# Altium PCB STM32F7_ExpansionBoard.PcbDoc (part 1 of 2)
Units mm, origin at the board's own origin, x right, y up, seen from the top; angles counter-clockwise.
Board outline 149.43 x 209.05 mm, 2 copper layers (Top Layer, Bottom Layer); 87 components, 61 nets, 312 pads, 418 vias.
Unrouted connection lines stored in the file: 1.
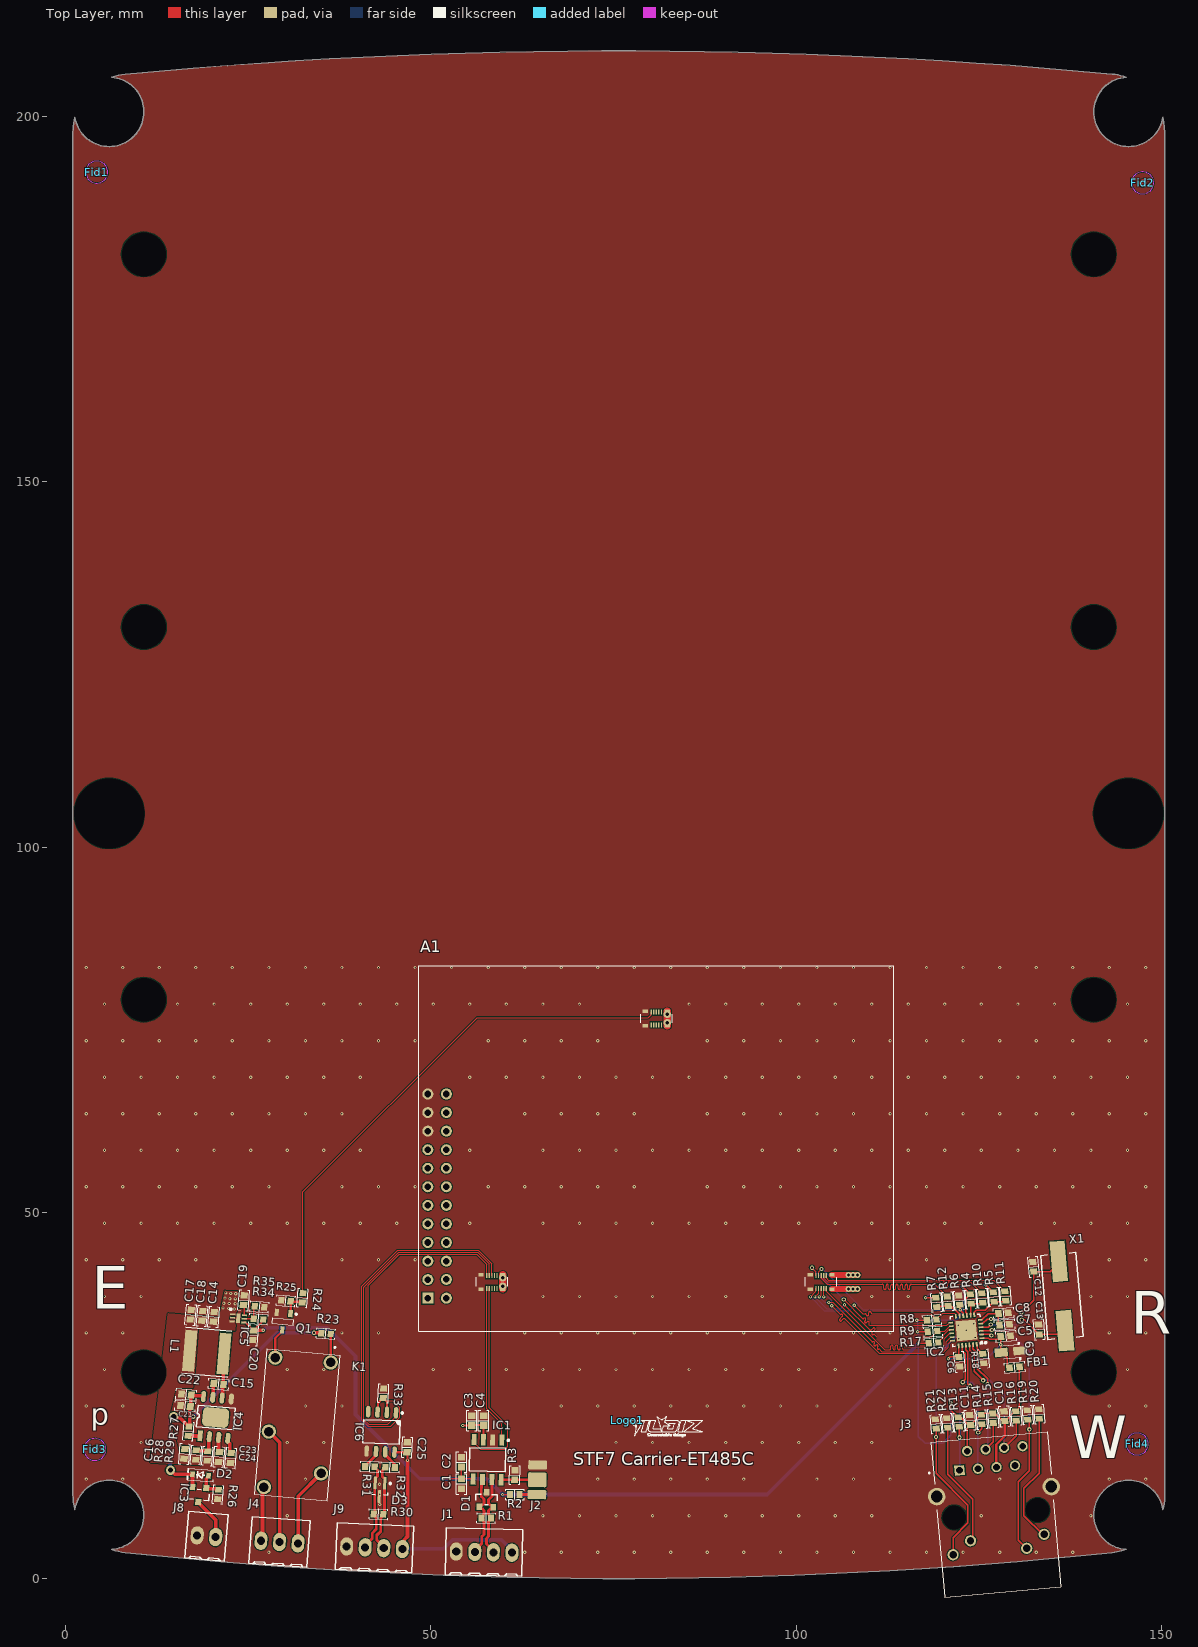
[diagram p0: Top Layer view]
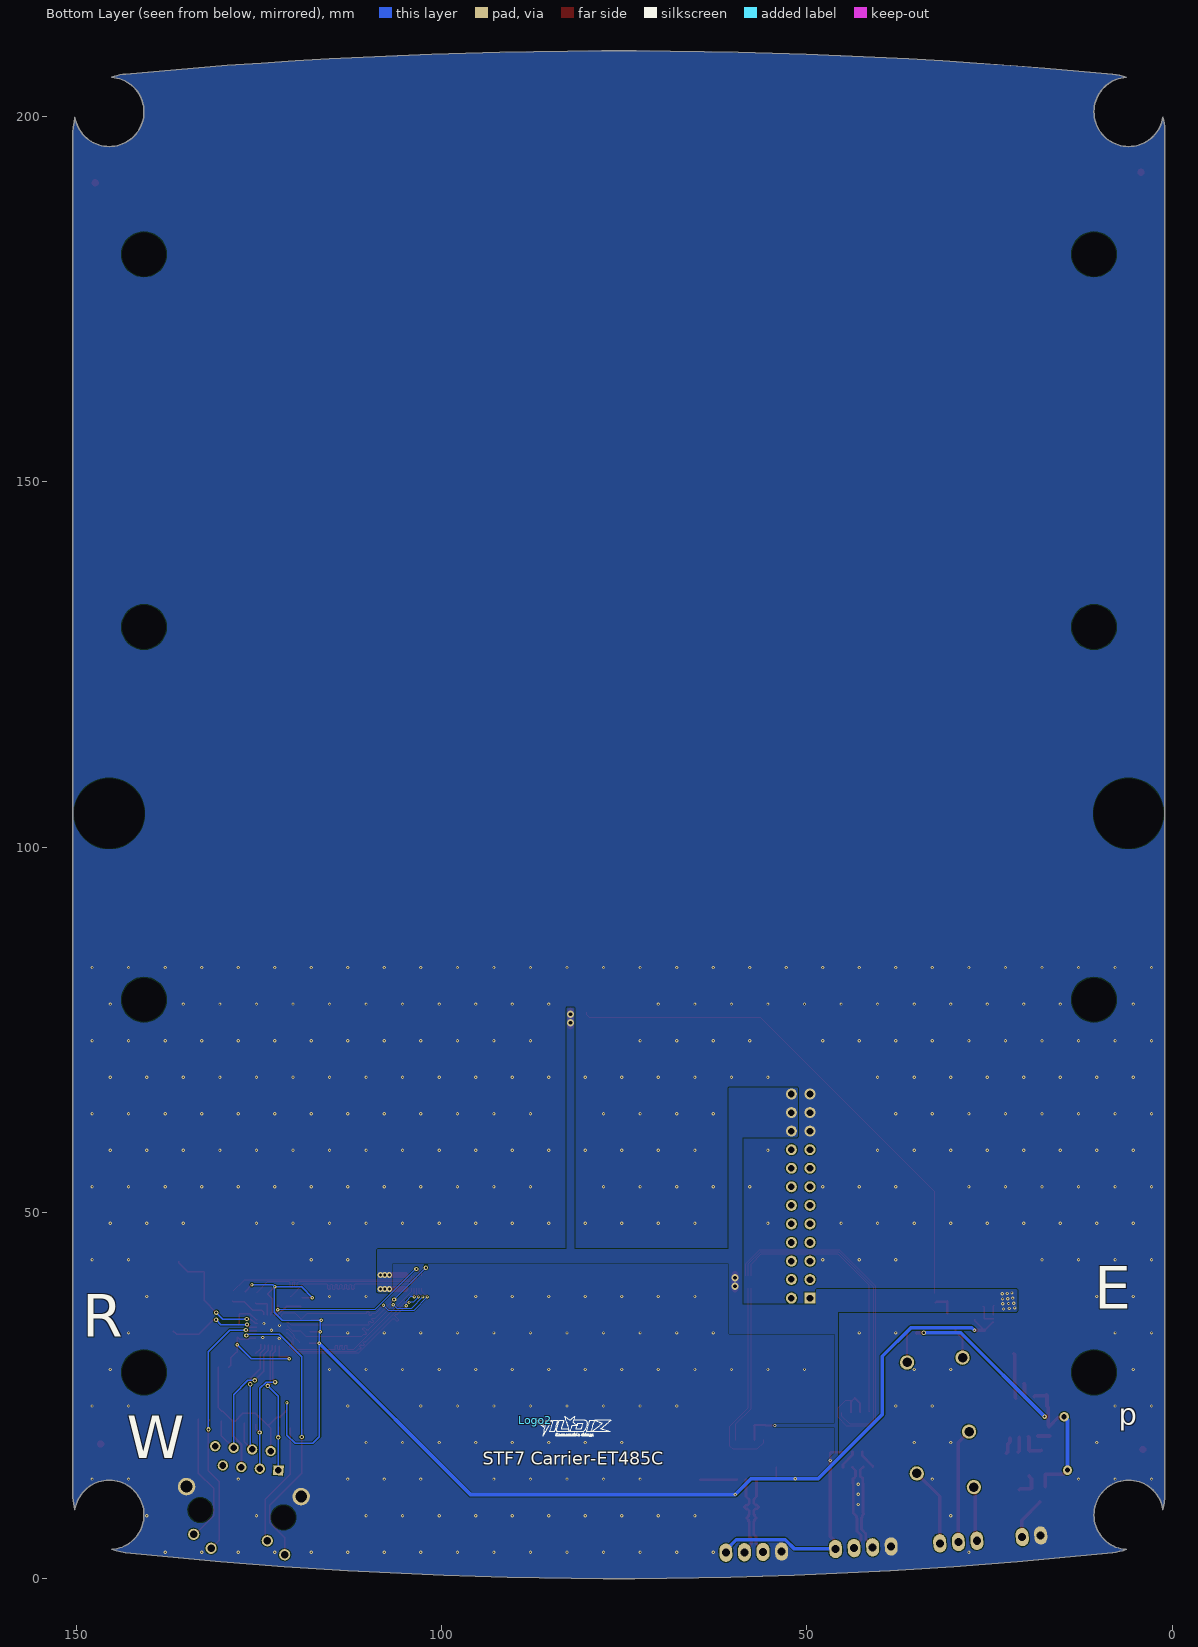
[diagram p1: Bottom Layer view, seen from below]
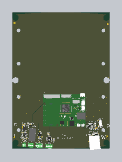
[diagram p3: 3D render of the assembled board from above, using the file's embedded part models]

## Layer stack, top to bottom
Top Solder: solder mask 0.0102, Solder Resist, Dk 3.5
Top Layer: signal copper 0.0356
Dielectric 1: dielectric 0.32, FR-4, Dk 4.8
Bottom Layer: signal copper 0.0356
Bottom Solder: solder mask 0.0102, Solder Resist, Dk 3.5

## Board outline
1.28,9.38 cw(c10.198,11.598) 1.009,11.463 1.009,197.838 cw(c9.931,197.746) 1.279,199.926 ccw(c5.974,200.651) 6.305,205.389 cw(c9.27,196.731) 8.183,205.818 cw(c75.724,-511.165) 143.254,205.819 cw(c142.547,198.319) 145.147,205.39 ccw(c145.474,200.651) 150.167,199.922 cw(c132.249,196.526) 150.438,197.849 150.438,11.451 cw(c144.343,11.189) 150.168,9.376 ccw(c145.474,8.651) 145.142,3.912 cw(c139.538,24.177) 143.254,3.483 cw(c75.724,644.677) 8.181,3.484 cw(c9.033,11.568) 6.301,3.912 ccw(c5.974,8.651)

## Design rules (kind name [scope] priority, off if disabled: settings)
Clearance [All] p1: gap=0.127 ignorepadtopadclearanceinfootprint=FALSE
ComponentClearance [All] p1: gap=0 collisioncheckmode=3 verticalgap=0 showdistances=FALSE
DiffPairsRouting [All] p1: maxlimit=3 minlimit=0.127 mostfreqgap=0.254 toplayer_minwidth=0.127 toplayer_maxwidth=3 toplayer_prefwidth=0.4 bottomlayer_minwidth=0.127 bottomlayer_maxwidth=3 bottomlayer_prefwidth=0.4 maxuncoupledlength=12.7
MatchedLengths "Schematic Matched Net Lengths_4" [InNetClass('ETHERNET')] p1: tolerance=2.54 checknetsindiffpair=FALSE checkdiffpairvsdiffpair=TRUE checkxsignals=TRUE checkothers=TRUE
MatchedLengths "Schematic Matched Net Lengths_3" [InNet('TD_P')] p2: tolerance=2.54 checknetsindiffpair=TRUE checkdiffpairvsdiffpair=FALSE checkxsignals=FALSE checkothers=FALSE
MatchedLengths "Schematic Matched Net Lengths_2" [InNet('RD_N')] p3: tolerance=2.54 checknetsindiffpair=TRUE checkdiffpairvsdiffpair=FALSE checkxsignals=FALSE checkothers=FALSE
MatchedLengths "Schematic Matched Net Lengths_1" [InNet('RD_P')] p4: tolerance=2.54 checknetsindiffpair=TRUE checkdiffpairvsdiffpair=FALSE checkxsignals=FALSE checkothers=FALSE
MatchedLengths "Schematic Matched Net Lengths" [InNet('TD_N')] p5: tolerance=2.54 checknetsindiffpair=TRUE checkdiffpairvsdiffpair=FALSE checkxsignals=FALSE checkothers=FALSE
PlaneConnect [All] p1: planeconnectstyle=Direct reliefexpansion=0.508 reliefentries=4 reliefconductorwidth=0.254 reliefairgap=0.254
PolygonConnect [All] p1: connectstyle=Direct reliefconductorwidth=0.254 reliefentries=4 polygonreliefangle="90 Angle" airgapwidth=0.254
RoutingVias [All] p1: holewidth=0.3 width=0.45 viastyle="Through Hole" minholewidth=0.2 minwidth=0.45 maxholewidth=5 maxwidth=5
SolderMaskExpansion [All] p1: expansion=0.102
Width [All] p1: maxlimit=3 minlimit=0.127 preferedwidth=0.3
27 further rules are at their usual default settings.

## Classes and differential pairs
net class ETHERNET: RMII_CRS_DV RMII_MDC RMII_MDIO RMII_REF_CLK RMII_RXD0 RMII_RXD1 RMII_TX_EN RMII_TXD0 RMII_TXD1
differential pair class Ethernet: RD TD
differential pair class RS485A: RS485A
differential pair class CAN: CAN
net class RS485A: RS485A_N RS485A_P
net class CAN: CAN_N CAN_P
component class U_RS485: C25 D3 IC6 J9 R30 R31 R32 R33
component class U_Power: C14 C15 C16 C17 C18 C19 C20 C21 C22 C23 C24 D2 IC3 IC4 IC5 J8 L1 R26 R27 R28 R29 R34 R35
component class U_Expansion: A1 J4 K1 Q1 R23 R24 R25
component class U_Ethernet: C5 C6 C7 C8 C9 C10 C11 C12 C13 FB1 IC2 J3 R4 R5 R6 R7 R8 R9 R10 R11 R12 R13 R14 R15 R16 R17 R18 R19 R20 R21 R22 X1
component class U_CAN: C1 C2 C3 C4 D1 IC1 J1 J2 R1 R2 R3
component class ExpansionBoard: Fid1 Fid2 Fid3 Fid4 Logo1 Logo2
differential pair TD: +TD_P -TD_N
differential pair RD: +RD_P -RD_N
differential pair RS485A: +RS485A_P -RS485A_N
differential pair CAN: +CAN_P -CAN_N

## Components (designator, comment, footprint, x,y, rotation, side; value= is the part's Value field where it differs from the comment)
A1 "#NAME?" STF7-SoM 113.35,83.775 r180 top locked
C1 "47uF" "CAP 0603/1608" 54.18,12.905 r90 top
C2 "100nF" "CAP 0603/1608" 54.18,15.88 r270 top
C3 "47uF" "CAP 0603/1608" 55.605,21.555 r270 top
C4 "100nF" "CAP 0603/1608" 57.212,21.555 r270 top
C5 "100nF" "CAP 0603/1608" 128.655,33.105 r185 top
C6 "100nF" "CAP 0603/1608" 122.305,29.605 r95 top
C7 "1uF" "CAP 0603/1608" 128.477,34.689 r185 top
C8 "470pF" "CAP 0603/1608" 128.33,36.255 r185 top
C9 "10uF" "CAP POL 3216X180N" 129.325,30.993 r185 top
C10 "100nF" "CAP 0603/1608" 128.471,22.152 r275 top
C11 "100nF" "CAP 0603/1608" 123.771,21.627 r275 top
C12 "18pF" "CAP 0603/1608" 132.43,42.605 r275 top
C13 "18pF" "CAP 0603/1608" 133.196,34.027 r275 top
C14 "1uF" "CAP 0603/1608" 20.305,35.755 r265 top
C15 "100nF" "CAP 0603/1608" 20.965,26.555 r175 top
C16 "5pF" "CAP 0603/1608" 16.28,17.005 r265 top
C17 "22uF" "CAP 0603/1608" 17.137,36.044 r265 top
C18 "22uF" "CAP 0603/1608" 18.715,35.894 r265 top
C19 "100nF" "CAP 0603/1608" 24.411,38.027 r265 top
C20 "1uF" "CAP 0603/1608" 25.655,33.23 r85 top
C21 "10uF" "CAP 0603/1608" 16.405,23.555 r355 top
C22 "10uF" "CAP 0603/1608" 16.53,25.13 r355 top
C23 "8.2nF" "CAP 0603/1608" 22.621,16.433 r85 top
C24 "1uF" "CAP 0603/1608" 21.005,16.58 r85 top
C25 "100nF" "CAP 0603/1608" 46.757,17.904 r267.7 top
D1 "#NAME?" "ON SEMI SOT-23-3" 57.605,10.73 r88.8 top
D2 "#NAME?" SOD323 18.48,14.105 r175 top
D3 "#NAME?" sc70-3 42.992,12.079 r267.7 top
FB1 "#NAME?" "FER 0603/1608" 129.855,28.855 r5 top
Fid1 "Fiducial mark" Fiducial 4.28,192.405 r0 top
Fid2 "Fiducial mark" Fiducial 147.405,190.93 r90 top
Fid3 "Fiducial mark" Fiducial 4.03,17.605 r90 top
Fid4 "Fiducial mark" Fiducial 146.655,18.355 r90 top
IC1 "#NAME?" "NXP SOIC-8" 57.755,16.205 r268.8 top
IC2 "#NAME?" "SMSC QFN-24 4x4MM" 123.28,33.905 r185 top
IC3 "#NAME?" "DIODES SOT-23-3" 18.23,11.405 r265 top
IC4 "#NAME?" "DIODES SO-8EP" 20.552,21.985 r85 top
IC5 "#NAME?" "MICREL MLF-6 1.6x1.6MM" 23.65,35.55 r355 top
IC6 "#NAME?" "TI SOIC-8 D" 43.223,20.002 r267.7 top
J1 "#NAME?" "TE 282834-4" 57.28,3.555 r178.8 top
J2 "" jump_3way 64.555,13.455 r88.8 top
J3 "#NAME?" "WIZNET J1B1211CCD" 127.33,8.705 r5 top
J4 "Header" "TE 282834-3" 29.28,4.93 r176 top
J8 "2 Pin" "TE 282834-2" 19.28,5.73 r175 top
J9 "#NAME?" "TE 282834-4" 42.28,4.155 r177.3 top
K1 "#NAME?" ALQ105 31.765,21.427 r265 top
L1 "3.3uH" "MURATA 1264EY-4R7M=P3" 19.339,30.91 r175 top
Logo1 "Logo symbol" LOGO_YILDIZIOT 76.9,21.6 r0 top
Logo2 "Logo symbol" LOGO_YILDIZIOT 87.15,21.575 r180 bottom
Q1 "#NAME?" SOT23-3 29.751,35.076 r175 top
R1 "120R" "RES 0603/1608" 57.58,8.23 r358.8 top
R2 "NC" "RES 0603/1608" 61.48,11.43 r0 top
R3 "10kR" "RES 0603/1608" 61.48,14.105 r268.8 top
R4 "10kR" "RES 0603/1608" 123.88,38.18 r275 top
R5 "10kR" "RES 0603/1608" 127.023,38.478 r275 top
R6 "10kR" "RES 0603/1608" 122.305,38.03 r275 top
R7 "10kR" "RES 0603/1608" 119.155,37.73 r275 top
R8 "10kR" "RES 0603/1608" 118.53,35.33 r5 top
R9 "10kR" "RES 0603/1608" 118.655,33.755 r5 top
R10 "33R" "RES 0603/1608" 125.448,38.328 r95 top
R11 "33R" "RES 0603/1608" 128.598,38.603 r95 top
R12 "33R" "RES 0603/1608" 120.73,37.88 r95 top
R13 "50R" "RES 0603/1608" 122.223,21.353 r95 top
R14 "50R" "RES 0603/1608" 125.348,21.703 r95 top
R15 "50R" "RES 0603/1608" 126.923,21.878 r95 top
R16 "50R" "RES 0603/1608" 130.073,22.178 r95 top
R17 "10kR" "RES 0603/1608" 118.78,32.18 r185 top
R18 "12.1kR" "RES 0603/1608" 125.587,30.032 r95 top
R19 "10kR" "RES 0603/1608" 131.648,22.328 r95 top
R20 "300R" "RES 0603/1608" 133.223,22.453 r275 top
R21 "10kR" "RES 0603/1608" 119.073,21.103 r95 top
R22 "300R" "RES 0603/1608" 120.648,21.228 r275 top
R23 "NC" "RES 0603/1608" 35.632,33.462 r175 top
R24 "1kR" "RES 0603/1608" 32.437,38.353 r85 top
R25 "10kR" "RES 0603/1608" 30.155,37.955 r175 top
R26 "100kR" "RES 0603/1608" 20.873,11.457 r85 top
R27 "100kR" "RES 0603/1608" 16.837,20.103 r265 top
R28 "124kR" "RES 0603/1608" 17.855,16.855 r85 top
R29 "22.1kR" "RES 0603/1608" 19.43,16.705 r265 top
R30 "120R" "RES 0603/1608" 42.83,8.755 r357.7 top
R31 "10R" "RES 0603/1608" 41.656,15.256 r357.7 top
R32 "10R" "RES 0603/1608" 44.429,15.154 r177.7 top
R33 "10kR" "RES 0603/1608" 43.505,25.28 r87.7 top
R34 "14kR" "RES 0603/1608" 26.403,35.448 r355 top
R35 "10kR" "RES 0603/1608" 26.555,37.13 r355 top
X1 "25MHz" "ABRACON ABLS" 136.346,38.602 r275 top

## Footprints (in the part's own frame and the unit in brackets; to place one, negate y for a bottom-side part, rotate by r counter-clockwise, add the part's x,y. Pads: shape width x height; smd on the part's side, far side on the other; paste and mask are expansions set on the pad)
"ABRACON ABLS" [mm] "Crystal, 2-Leads, Body 4.70x11.40mm, Pitch 8.80mm, IPC Medium Density"
  rect 5.6x2.1 smd: 1(-4.75,0) 2(4.75,0)
  silkscreen extent -5.78,-2.43 5.78,2.43, body extent -6.35,-2.35 6.35,2.35, height 4.2
ALQ105 [mm] "ALQ (LQ) series: 1 Form C, 10A Small Power Relays"
  round 1.95 hole 1.3: 1(-8.44,3.81) 2(6.8,3.81) 3(9.34,-3.81) 4(1.72,-3.81) 5(-8.44,-3.81)
  silkscreen extent -10.65,-5 10.45,5, body extent -9.55,-5 10.45,5, height 15
"CAP 0603/1608" [mm] "Chip Capacitor, 2-Leads, Body 1.60x0.80mm, IPC Medium Density"
  rect 0.9x1 smd: 1(-0.675,0) 2(0.675,0)
  silkscreen extent -1.4,-0.7 1.4,0.7, body extent -0.8,-0.41 0.8,0.41, height 0.82
"CAP POL 3216X180N" [mm] "Capacitor, polarized, Molded Body, EIA 535BAAC size A; 3.20mm L X 1.60mm W X 1.80mm H"
  round 0.508 on Mech14: 0(0,0)
  rrect25% 1.8x1.2 smd: 1(-1.3,0) 2(1.3,0)
  silkscreen extent -1.3,-1.2 1,1.2, body extent -1.6,-0.8 1.6,0.8, height 1.8
"DIODES SO-8EP" [mm]
  rect 1.5x0.65 smd: 1(-2.7,1.905)
  oval 1.5x0.65 smd: 2(-2.7,0.635) 3(-2.7,-0.635) 4(-2.7,-1.905) 5(2.7,-1.905) 6(2.7,-0.635) 7(2.7,0.635) 8(2.7,1.905)
  rrect50% 2.7x3.6 smd: EP(0,0.005)
  silkscreen extent -1.47,-2.54 1.48,2.53, body extent -3.11,-2.56 3.09,2.44, height 1.74
"DIODES SOT-23-3" [mm] "SOT23, 3-Leads, Body 2.90x2.40mm, Pitch 0.95mm, IPC Medium Density"
  rect 0.9x0.8 smd: 1(-1,0.95) 2(-1,-0.95) 3(1,0)
  silkscreen extent -0.7,-1.45 0.7,1.45, body extent -1.41,-1.45 1.41,1.45, height 1.5
"FER 0603/1608" [mm] "Chip Ferrite, 2-Leads, Body 1.60x0.80mm, IPC Medium Density"
  rect 0.9x1 smd: 1(-0.675,0) 2(0.675,0)
  silkscreen extent -1.4,-0.7 1.4,0.7, body extent -0.8,-0.41 0.8,0.41, height 0.82
Fiducial [mm] "Electrolitic Radial Capacitor, 5mm pin space, 0.8mm Hole, 10.1mm diametre, 15.2 height"
  Top Layer circle w1: c0,0 r0
  Top Layer keep-out circle w0.01: c0,0 r1.5
jump_3way [mil] "SMT Battery jumper pads"
  rrect25% 50x100 smd: 1(-80,0) 3(80,0)
  rrect25% 80x100 smd: 2(0,0)
  rrect25% 218x108 on Top Solder: SM(0,0)
LOGO_YILDIZIOT [mm] "YýLDýZ IoT Logo"
  silkscreen extent 0.02,-2.27 10.31,0.53
"MICREL MLF-6 1.6x1.6MM" [mm] "6-UFDFN Exposed Pad, 6-TMLF®"
  rect 0.7x0.3 smd: 1(-0.8,0.5) 2(-0.8,0) 3(-0.8,-0.5) 4(0.8,-0.5) 5(0.8,0) 6(0.8,0.5)
  rect 0.55x1.31 smd: 7(0,0)
  silkscreen extent -1.28,1.03 -1.03,1.27, body extent -0.85,-0.8 0.85,0.8, height 0.6
"MURATA 1264EY-4R7M=P3" [mm]
  rect 1.6x5.7 smd: 1(-2.35,0) 2(2.35,0)
  silkscreen extent -3.15,-3.15 3.15,3.15, body extent -3.15,-3.15 3.15,3.15, height 4.49
"NXP SOIC-8" [mm] "SOIC, 8-Leads, Body 5.28x6mm, Pitch 1.27mm, IPC Medium Density"
  rect 1.525x0.65 smd: 1(-2.712,1.905) 2(-2.712,0.635) 3(-2.712,-0.635) 4(-2.712,-1.905) 5(2.712,-1.905) 6(2.712,-0.635) 7(2.712,0.635) 8(2.712,1.905)
  silkscreen extent -2.83,-2.45 1.6,2.9, body extent -3.01,-2.45 3.01,2.45, height 1.5
"ON SEMI SOT-23-3" [mm] "SOT23, 3-Leads, Body 2.90x2.40mm, Pitch 0.95mm, IPC Medium Density"
  rect 0.9x0.8 smd: 1(-1,0.95) 2(-1,-0.95) 3(1,0)
  silkscreen extent -0.7,-1.45 0.7,1.45, body extent -1.16,-1.45 1.16,1.45, height 1
"RES 0603/1608" [mm] "Chip Resistor, 2-Leads, Body 1.60x0.80mm, IPC Medium Density"
  rect 0.85x0.95 smd: 1(-0.65,0) 2(0.65,0)
  silkscreen extent -1.27,-0.7 1.27,0.7, body extent -0.8,-0.4 0.8,0.4, height 0.45
sc70-3 [mm] "SC70-3, 3-Leads, Body 2,3x2,4mm (max), Pitch 0,66mm, IPC Low Density"
  rrect40% 1.75x0.4 smd: 1(-0.925,0.66) 2(-0.925,-0.66) 3(0.925,0)
  silkscreen extent -1.05,-1.1 0.68,1.53, body extent -1.15,-1.05 1.15,1.05, height 1
"SMSC QFN-24 4x4MM" [mm] "QFN, 24-Leads, Body 4.1x4.1mm (max), Pitch 0.50mm, IPC Medium Density"
  rrect50% 0.65x0.25 smd: 1(-2.025,1.25) 2(-2.025,0.75) 3(-2.025,0.25) 4(-2.025,-0.25) 5(-2.025,-0.75) 6(-2.025,-1.25) 13(2.025,-1.25) 14(2.025,-0.75) 15(2.025,-0.25) 16(2.025,0.25) 17(2.025,0.75) 18(2.025,1.25)
  rrect50% 0.25x0.65 smd: 7(-1.25,-2.025) 8(-0.75,-2.025) 9(-0.25,-2.025) 10(0.25,-2.025) 11(0.75,-2.025) 12(1.25,-2.025) 19(1.25,2.025) 20(0.75,2.025) 21(0.25,2.025) 22(-0.25,2.025) 23(-0.75,2.025) 24(-1.25,2.025)
  rect 2.8x2.8 smd: 25(0,0)
  silkscreen extent -2.61,-2.05 2.05,2.05, body extent -2.05,-2.05 2.05,2.05, height 0.95
SOD323 [mm] "SOD, 2-Leads, Body 1.25x2.50mm, IPC Medium Density"
  rect 0.625x0.83 smd: 1(-1.112,0) 2(1.112,0)
  silkscreen extent -1.78,-0.8 1.78,0.8, body extent -1.36,-0.62 1.36,0.62, height 1.05
SOT23-3 [mm] "SOT23, 3 pin"
  rrect25% 0.6x1 smd: 1(-0.95,-1.2) 2(0.95,-1.2) 3(0,1.1)
  silkscreen extent -1.81,-1.3 1.45,0.33, body extent -1.45,-1.45 1.45,1.35, height 1.29
STF7-SoM [mm] "Yildiz IoT STM32F7 System On Module"
  rect 0.18x0.69 smd: 1(33.2,6.325) 2(33.2,8.075) 3(32.85,6.325) 4(32.85,8.075) 5(32.5,6.325) 6(32.5,8.075) 7(32.15,6.325) 8(32.15,8.075) 9(31.8,6.325) 10(31.8,8.075) 11(55.7,42.375) 12(55.7,44.125) 13(55.35,42.375) 14(55.35,44.125) 15(55,42.375) 16(55,44.125) 17(54.65,42.375) 18(54.65,44.125) 19(54.3,42.375) 20(54.3,44.125) 21(10.65,42.375) 22(10.65,44.125) 23(10.3,42.375) 24(10.3,44.125) 25(9.95,42.375) 26(9.95,44.125) 27(9.6,42.375) 28(9.6,44.125) 29(9.25,42.375) 30(9.25,44.125)
  rect 0.73x0.49 smd: 5V(8.45,42.275) 5V(8.45,44.225) 5V(31,6.225) 5V(31,8.175) 5V(53.5,42.275) 5V(53.5,44.225) GND(11.45,42.275) GND(11.45,44.225) GND(34,6.225) GND(34,8.175) GND(56.5,42.275) GND(56.5,44.225)
  round 1.5 hole 0.9: 5V(61.23,17.53) 5V(61.23,20.07) 5V(61.23,22.61) 32(61.23,45.47) 33(63.77,42.93) 34(61.23,42.905) 35(63.77,40.39) 36(61.23,40.39) 37(63.77,37.85) 38(61.23,37.85) 39(63.77,35.31) 40(61.23,35.31) 41(63.77,32.77) 42(61.23,32.77) 43(63.77,30.23) 44(61.23,30.23) 45(63.77,27.69) 46(61.23,27.69) 47(63.77,25.15) 48(61.23,25.15) GND(63.77,17.53) GND(63.77,20.07) GND(63.77,22.61)
  rect 1.5x1.5 hole 0.9: 31(63.77,45.47)
  silkscreen extent 0,0 65.02,50, body extent 0,-1.09 65,50.8, height 9
"TE 282834-2" [mm]
  oval 1.75x2.5 hole 1.1: 1(-1.27,0) 2(1.27,0)
  silkscreen extent -2.7,-3.2 2.7,3.2, body extent -2.77,-3.25 2.77,3.25, height 10
"TE 282834-3" [mm]
  oval 1.75x2.5 hole 1.1: 1(-2.54,0) 2(0,0) 3(2.54,0)
  silkscreen extent -3.97,-3.2 3.97,3.2, body extent -4.04,-3.25 4.04,3.25, height 10
"TE 282834-4" [mm]
  oval 1.75x2.5 hole 1.1: 1(-3.81,0) 2(-1.27,0) 3(1.27,0) 4(3.81,0)
  silkscreen extent -5.24,-3.2 5.24,3.2, body extent -5.31,-3.25 5.31,3.25, height 10
"TI SOIC-8 D" [mm] "SOP, 8-Leads, Body 4.90x3.90mm, Pitch 1.27mm, IPC Medium Density"
  oval 1.55x0.6 smd: 1(-2.7,1.905) 2(-2.7,0.635) 3(-2.7,-0.635) 4(-2.7,-1.905) 5(2.7,-1.905) 6(2.7,-0.635) 7(2.7,0.635) 8(2.7,1.905)
  silkscreen extent -2.83,-2.5 1.6,2.88, body extent -3.01,-2.45 3.01,2.45, height 1.5
"WIZNET J1B1211CCD" [mm] "SINGLE RJ45 CONNECTOR CONNECTOR CONNECTOR CONNECTOR MODULE WITH 10/100 BASE-TX BASE-TX BASE-TX BASE-TX  MAGNETICS MAGNETICS MAGNETICS MAGNETICS AND LEDS"
  rect 1.4x1.4 hole 0.9: 1(-4.445,6.45)
  round 1.4 hole 0.9: 2(-3.175,8.99) 3(-1.905,6.45) 4(-0.635,8.99) 5(0.635,6.45) 6(1.905,8.99) 7(3.175,6.45) 8(4.445,8.99)
  round 1.53 hole 1.02: 9(-6.325,-4.98) 10(-3.785,-3.28) 11(3.785,-4.98) 12(6.325,-3.28)
  round 1.625 hole 3.25: 15(-5.715,0.1) 16(5.715,0.1)
  round 2.4 hole 1.6: S(-7.875,3.15) S(7.875,3.15)
  silkscreen extent -8.7,-10.65 8,10.65, body extent -9.01,-10.65 9.01,10.65, height 14.36

## Part data
A1: library part STF7-SoM, "STM32F7 System On Module", Manufacturer Part Number=STF7-SoM
C1 C3: library part "Capacitor - Ceramic", "Ceramic, SMT Capacitor", Case/Package=0603, Case Code (Metric)=1608, Dielectric=X6S, Manufacturer=Murata, Manufacturer Part Number=GRM188C80E476ME05D, Max Operating Temperature=105°C, Min Operating Temperature=-55°C, Supplier Part Number 1=490-13244-1-ND, Tolerance=20%, Voltage Rating=2.5V, Capacitance=47uF, Case Code (Imperial)=0603, ComponentLink1Description=https://datasheet.ciiva.com/25713/cl10a475mq8nnnc-25713301.pdf?src-supplier=Digi-Key, ComponentLink1URL=https://datasheet.ciiva.com/25713/cl10a475mq8nnnc-25713301.pdf?src-supplier=Digi-Key, ComponentLink2Description=https://datasheet.ciiva.com/26838/getdatasheetpartid-358407-26838391.pdf?src-supplier=Verical, ComponentLink2URL=https://datasheet.ciiva.com/26838/getdatasheetpartid-358407-26838391.pdf?src-supplier=Verical, ComponentLink3Description=https://datasheet.ciiva.com/16437/cl05b104kq5nnnc-16437323.pdf?src-supplier=Future+Electronics, ComponentLink3URL=https://datasheet.ciiva.com/16437/cl05b104kq5nnnc-16437323.pdf?src-supplier=Future+Electronics, ComponentLink4Description=http://search.murata.co.jp/Ceramy/image/img/A01X/G101/ENG/GRM188C80E476ME05-01.pdf?src-supplier=Digi-Key, ComponentLink4URL=http://search.murata.co.jp/Ceramy/image/img/A01X/G101/ENG/GRM188C80E476ME05-01.pdf?src-supplier=Digi-Key, ComponentLink5Description=http://search.murata.co.jp/Ceramy/image/img/A01X/partnumbering_e_01.pdf?src-supplier=Digi-Key, ComponentLink5URL=http://search.murata.co.jp/Ceramy/image/img/A01X/partnumbering_e_01.pdf?src-supplier=Digi-Key, Length=0.063inch, Mount="Surface Mount", Packaging="Tape and Reel", Pricing 1="1 = 0,55000, 10 = 0,38500, 100 = 0,25380, 500 = 0,18800, 1000 = 0,15979 (USD)", RoHS=Yes, Stock 1=56486, Supplier 1=Digi-Key, Thickness=0.039inch, Voltage Rating (DC)=2.5V, Width=0.031inch
C2 C4 C5 C6 C10 C11: library part "Capacitor - Ceramic", "Ceramic, SMT Capacitor", Case/Package=0603, Case Code (Metric)=1608, Dielectric=Y5V, Dielectric Material=Ceramic, Manufacturer=KEMET, Manufacturer Part Number=C0603C104Z3VACTU, Max Operating Temperature=85°C, Min Operating Temperature=-30°C, Package Quantity=1, Supplier Part Number 1=399-1100-1-ND, Tolerance=80%, Voltage=25V, Capacitance=100nF, Case Code (Imperial)=0603, ComponentLink1Description=https://datasheet.ciiva.com/46443/1828802-46443709.pdf?src-supplier=Element14, ComponentLink1URL=https://datasheet.ciiva.com/46443/1828802-46443709.pdf?src-supplier=Element14, ComponentLink2Description=https://datasheet.ciiva.com/14589/70095383-14589007.pdf?src-supplier=Allied+Electronics, ComponentLink2URL=https://datasheet.ciiva.com/14589/70095383-14589007.pdf?src-supplier=Allied+Electronics, ComponentLink3Description=https://datasheet.ciiva.com/7823/1470417-7823994.pdf?src-supplier=Element14, ComponentLink3URL=https://datasheet.ciiva.com/7823/1470417-7823994.pdf?src-supplier=Element14, ComponentLink4Description=https://datasheet.ciiva.com/46443/1828802-46443708.pdf?src-supplier=Element14, ComponentLink4URL=https://datasheet.ciiva.com/46443/1828802-46443708.pdf?src-supplier=Element14, Depth=0.8mm, Dissipation Factor=7%, Height=0.8mm, Lead Free="Lead Free", Lead Pitch=0.7mm, Length=1.6mm, Mount="Surface Mount,PCB", Number of Pins=2, Packaging="Tape and Reel", Pricing 1="1 = 0,10000, 10 = 0,03200, 100 = 0,01430, 500 = 0,01020, 1000 = 0,00802 (USD)", Radiation Hardening=No, REACH SVHC="No SVHC", RoHS=Yes, Stock 1=1148385, Supplier 1=Digi-Key, Termination=SMD/SMT, Thickness=0.034inch, Voltage Rating=25V, Voltage Rating (DC)=25V, Width=0.031inch
C7 C14 C20 C24: library part "Capacitor - Ceramic", "Ceramic, SMT Capacitor", Case/Package=0603, Case Code (Metric)=1608, Dielectric=X5R, Manufacturer=Samsung, Manufacturer Part Number=CL10A105KP8NNNC, Max Operating Temperature=85°C, Min Operating Temperature=-55°C, Package Quantity=1, Supplier Part Number 1=1276-1182-1-ND, Tolerance=10%, Voltage=10V, Capacitance=1uF, Case Code (Imperial)=0603, ComponentLink1Description=https://datasheet.ciiva.com/15195/getdatasheetpartid-358616-15195708.pdf?src-supplier=Verical, ComponentLink1URL=https://datasheet.ciiva.com/15195/getdatasheetpartid-358616-15195708.pdf?src-supplier=Verical, ComponentLink2Description=https://datasheet.ciiva.com/16358/cl05b104kq5nnnc-16358431.pdf?src-supplier=Future+Electronics, ComponentLink2URL=https://datasheet.ciiva.com/16358/cl05b104kq5nnnc-16358431.pdf?src-supplier=Future+Electronics, Contact Plating=Tin, Depth=0.8mm, Height=0.8mm, Length=1.6mm, Mount="Surface Mount", Packaging="Tape and Reel", Radiation Hardening=No, RoHS=Yes, Supplier 1=Digi-Key, Thickness=0.035inch, Voltage Rating=10V, Width=0.031inch
  C7: Pricing 1="1 = 0,10000, 10 = 0,04000, 100 = 0,01770, 500 = 0,01266, 1000 = 0,00995 (USD)", Stock 1=3525376
  C14 C20 C24: Pricing 1="1 = 0,10000, 10 = 0,03800, 100 = 0,01680, 500 = 0,01200, 1000 = 0,00943 (USD)", Stock 1=4590831
C8: library part "Capacitor - Ceramic", "Ceramic, SMT Capacitor", Case/Package=0603, Case Code (Metric)=1608, Dielectric=X7R, Dielectric Material=Ceramic, Insulation Resistance=10GR, Manufacturer=Yageo, Manufacturer Part Number=CC0603KRX7R9BB471, Max Operating Temperature=125°C, Min Operating Temperature=-55°C, Package Quantity=1, Supplier Part Number 1=311-1078-1-ND, Tolerance=10%, Voltage Rating=50V, Capacitance=470pF, Case Code (Imperial)=0603, ComponentLink1Description=https://datasheet.ciiva.com/5425/upy-gphc-x7r-6-3v-to-50v-8-12304-5425461.pdf?src-supplier=Mouser, ComponentLink1URL=https://datasheet.ciiva.com/5425/upy-gphc-x7r-6-3v-to-50v-8-12304-5425461.pdf?src-supplier=Mouser, ComponentLink2Description=https://datasheet.ciiva.com/144/mlccorderingcode-144439.pdf?src-supplier=Digi-Key, ComponentLink2URL=https://datasheet.ciiva.com/144/mlccorderingcode-144439.pdf?src-supplier=Digi-Key, ComponentLink3Description=https://datasheet.ciiva.com/144/mlccorderingcode-144440.pdf?src-supplier=Digi-Key, ComponentLink3URL=https://datasheet.ciiva.com/144/mlccorderingcode-144440.pdf?src-supplier=Digi-Key, ComponentLink4Description=https://datasheet.ciiva.com/144/mlccorderingcode-144441.pdf?src-supplier=Digi-Key, ComponentLink4URL=https://datasheet.ciiva.com/144/mlccorderingcode-144441.pdf?src-supplier=Digi-Key, ComponentLink5Description=https://datasheet.ciiva.com/16623/upy-gphc-x7r-6-3v-to-50v-8-16623897.pdf?src-supplier=Avnet+Europe, ComponentLink5URL=https://datasheet.ciiva.com/16623/upy-gphc-x7r-6-3v-to-50v-8-16623897.pdf?src-supplier=Avnet+Europe, ComponentLink6Description=https://datasheet.ciiva.com/8033/1489800-8033898.pdf?src-supplier=Element14, ComponentLink6URL=https://datasheet.ciiva.com/8033/1489800-8033898.pdf?src-supplier=Element14, ComponentLink7Description=https://datasheet.ciiva.com/8033/1489800-8033899.pdf?src-supplier=Element14, ComponentLink7URL=https://datasheet.ciiva.com/8033/1489800-8033899.pdf?src-supplier=Element14, ComponentLink8Description=https://datasheet.ciiva.com/11587/upy-gphc-x7r-6-3v-to-50v-8-11587224.pdf?src-supplier=Avnet, ComponentLink8URL=https://datasheet.ciiva.com/11587/upy-gphc-x7r-6-3v-to-50v-8-11587224.pdf?src-supplier=Avnet, ComponentLink9Description=https://datasheet.ciiva.com/26829/getdatasheetpartid-251791-26829452.pdf?src-supplier=Verical, ComponentLink9URL=https://datasheet.ciiva.com/26829/getdatasheetpartid-251791-26829452.pdf?src-supplier=Verical, ComponentLink10Description=https://datasheet.ciiva.com/28450/1489800-28450652.pdf?src-supplier=Element14, ComponentLink10URL=https://datasheet.ciiva.com/28450/1489800-28450652.pdf?src-supplier=Element14, ComponentLink11Description=https://datasheet.ciiva.com/8033/70765-8033902.pdf?src-supplier=Element14, ComponentLink11URL=https://datasheet.ciiva.com/8033/70765-8033902.pdf?src-supplier=Element14, Composition=Ceramic, Depth=0.8mm, Dissipation Factor=2.5%, Halogen Free="Halogen Free", Height=0.8mm, Lead Free="Lead Free", Length=1.6mm, Mount="Surface Mount", Number of Pins=2, Packaging="Tape and Reel", Pricing 1="1 = 0,10000, 10 = 0,05200, 100 = 0,02330, 500 = 0,01664, 1000 = 0,01307 (USD)", Radiation Hardening=No, REACH SVHC="No SVHC", RoHS=Yes, Stock 1=21426, Supplier 1=Digi-Key, Termination=SMD/SMT, Thickness=0.035inch, Voltage Rating (DC)=50V, Width=0.8mm